# Altium PCB reefpi_pico_v2.pcbdoc (part 1 of 2)
Units mil, origin at the board's own origin, x right, y up, seen from the top; angles counter-clockwise.
Board outline 4774.87 x 3275 mil, 2 copper layers (Top Layer, Bottom Layer), stack 60.8 mil thick; 151 components, 89 nets, 545 pads, 609 vias.
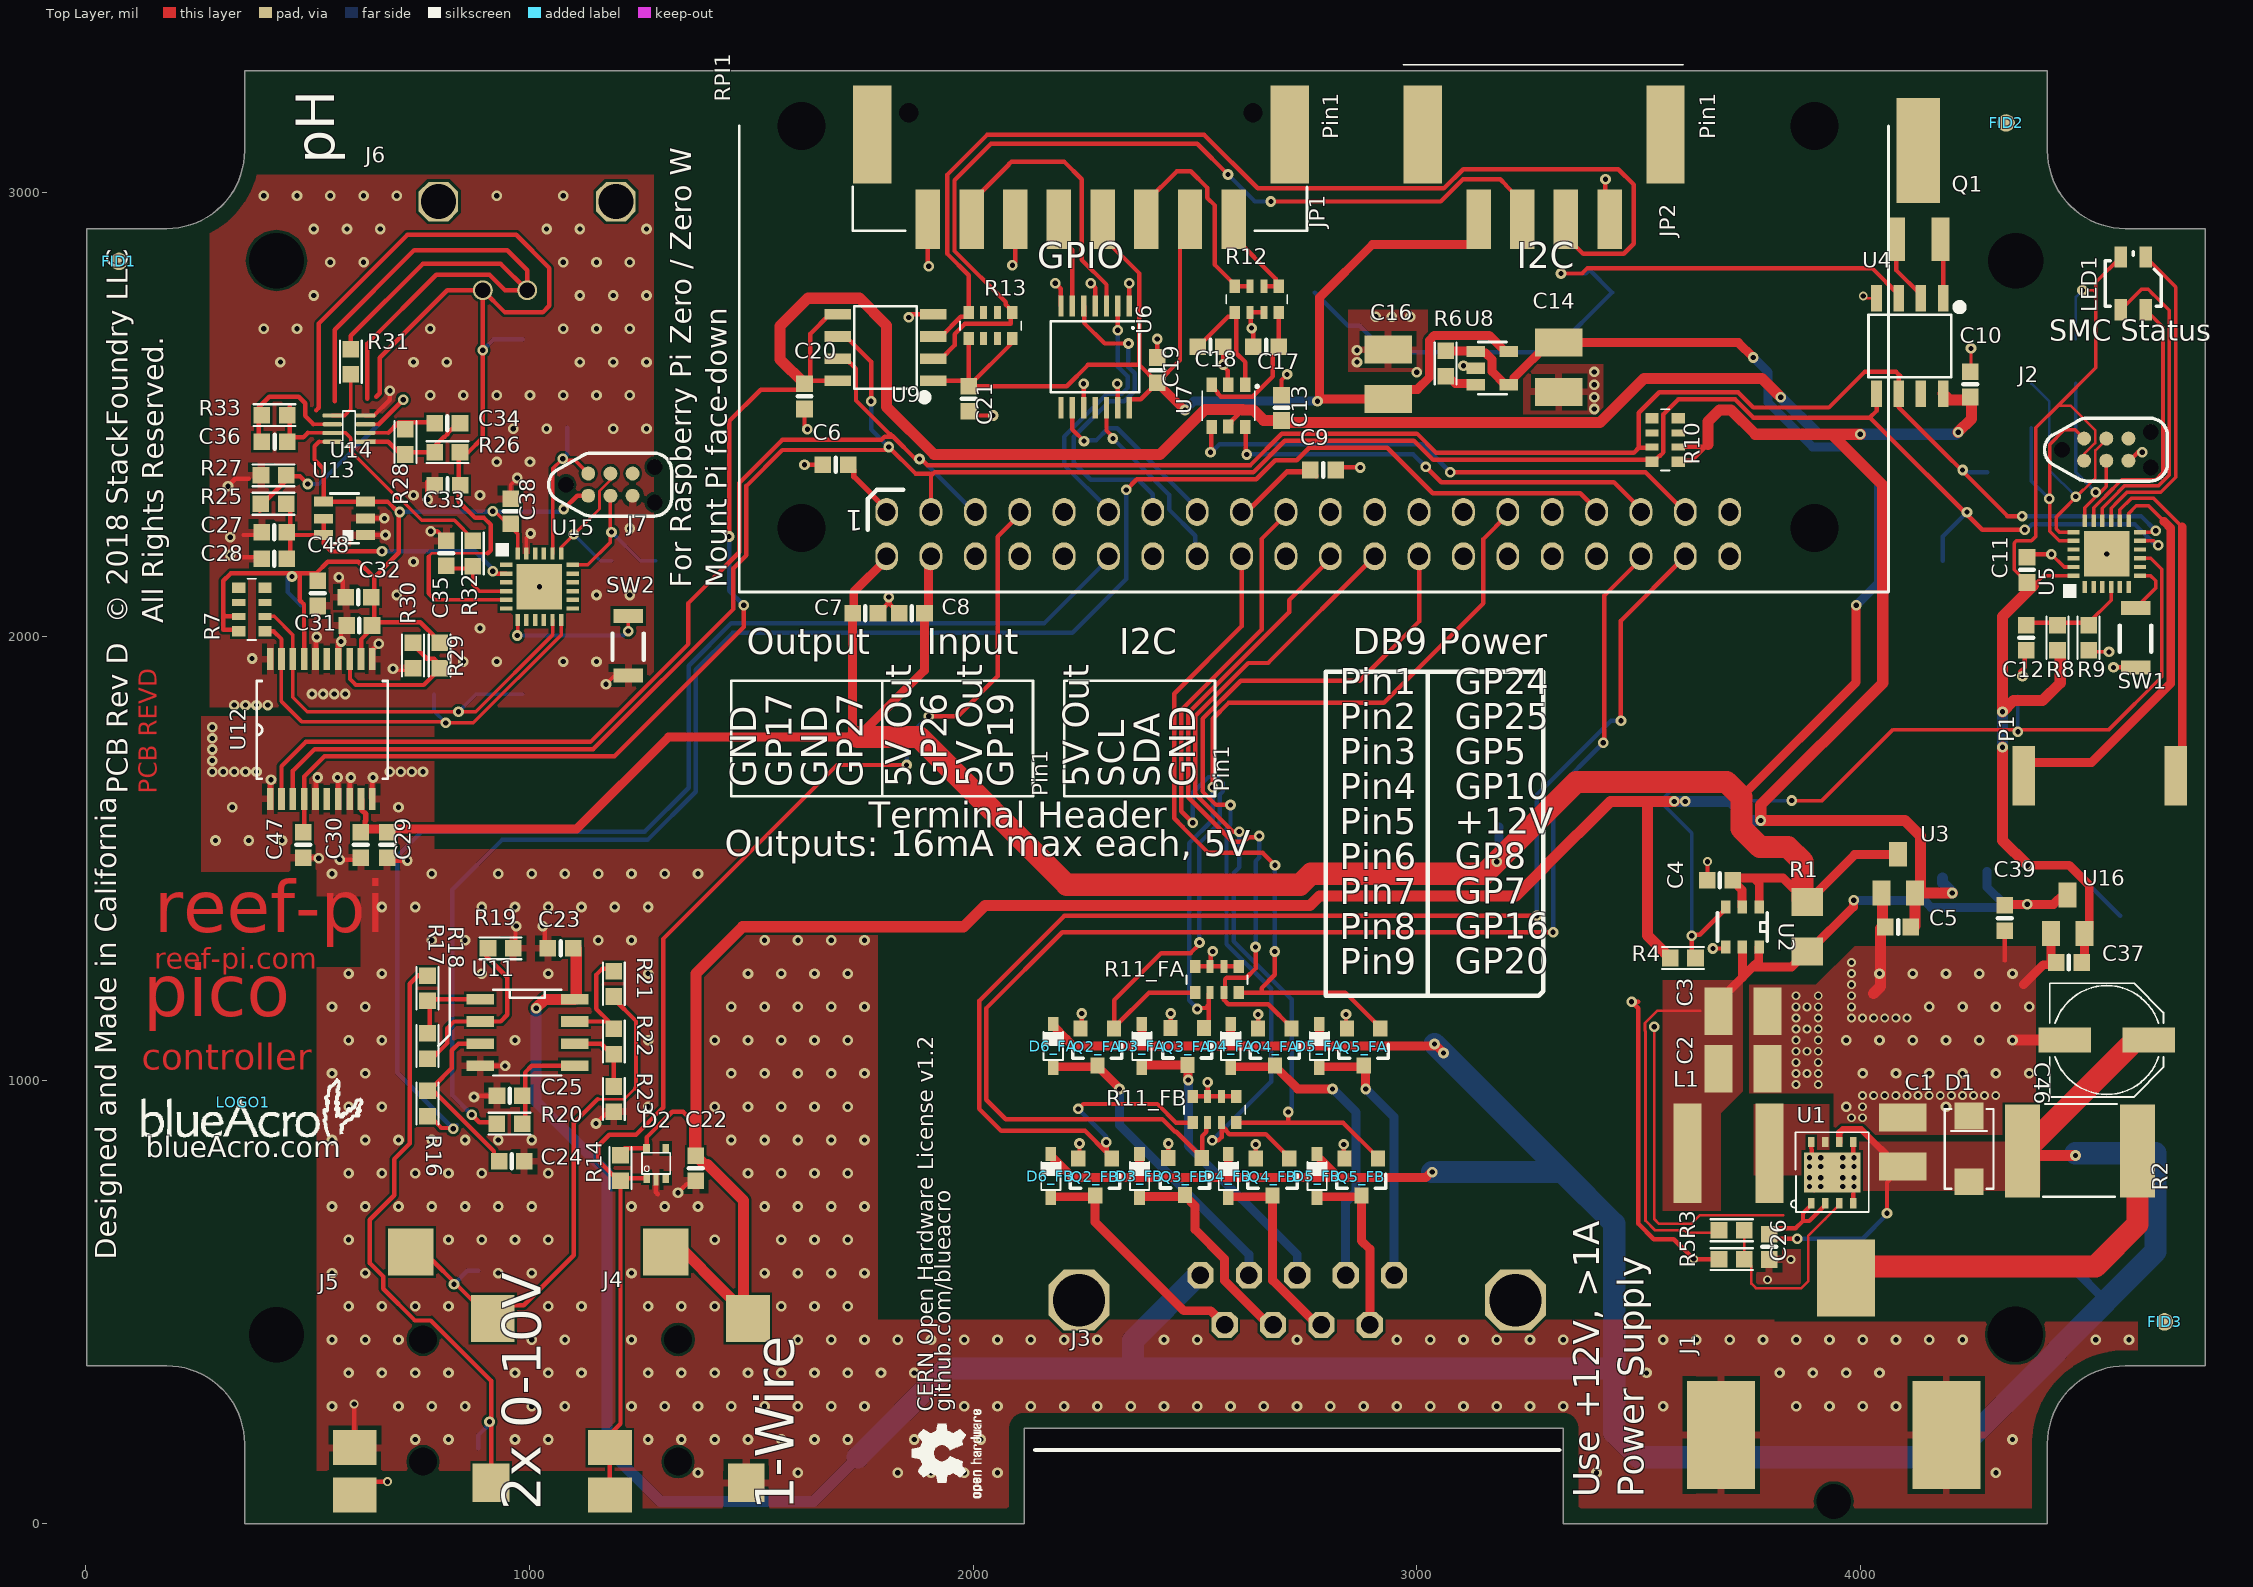
[diagram p0: Top Layer view]
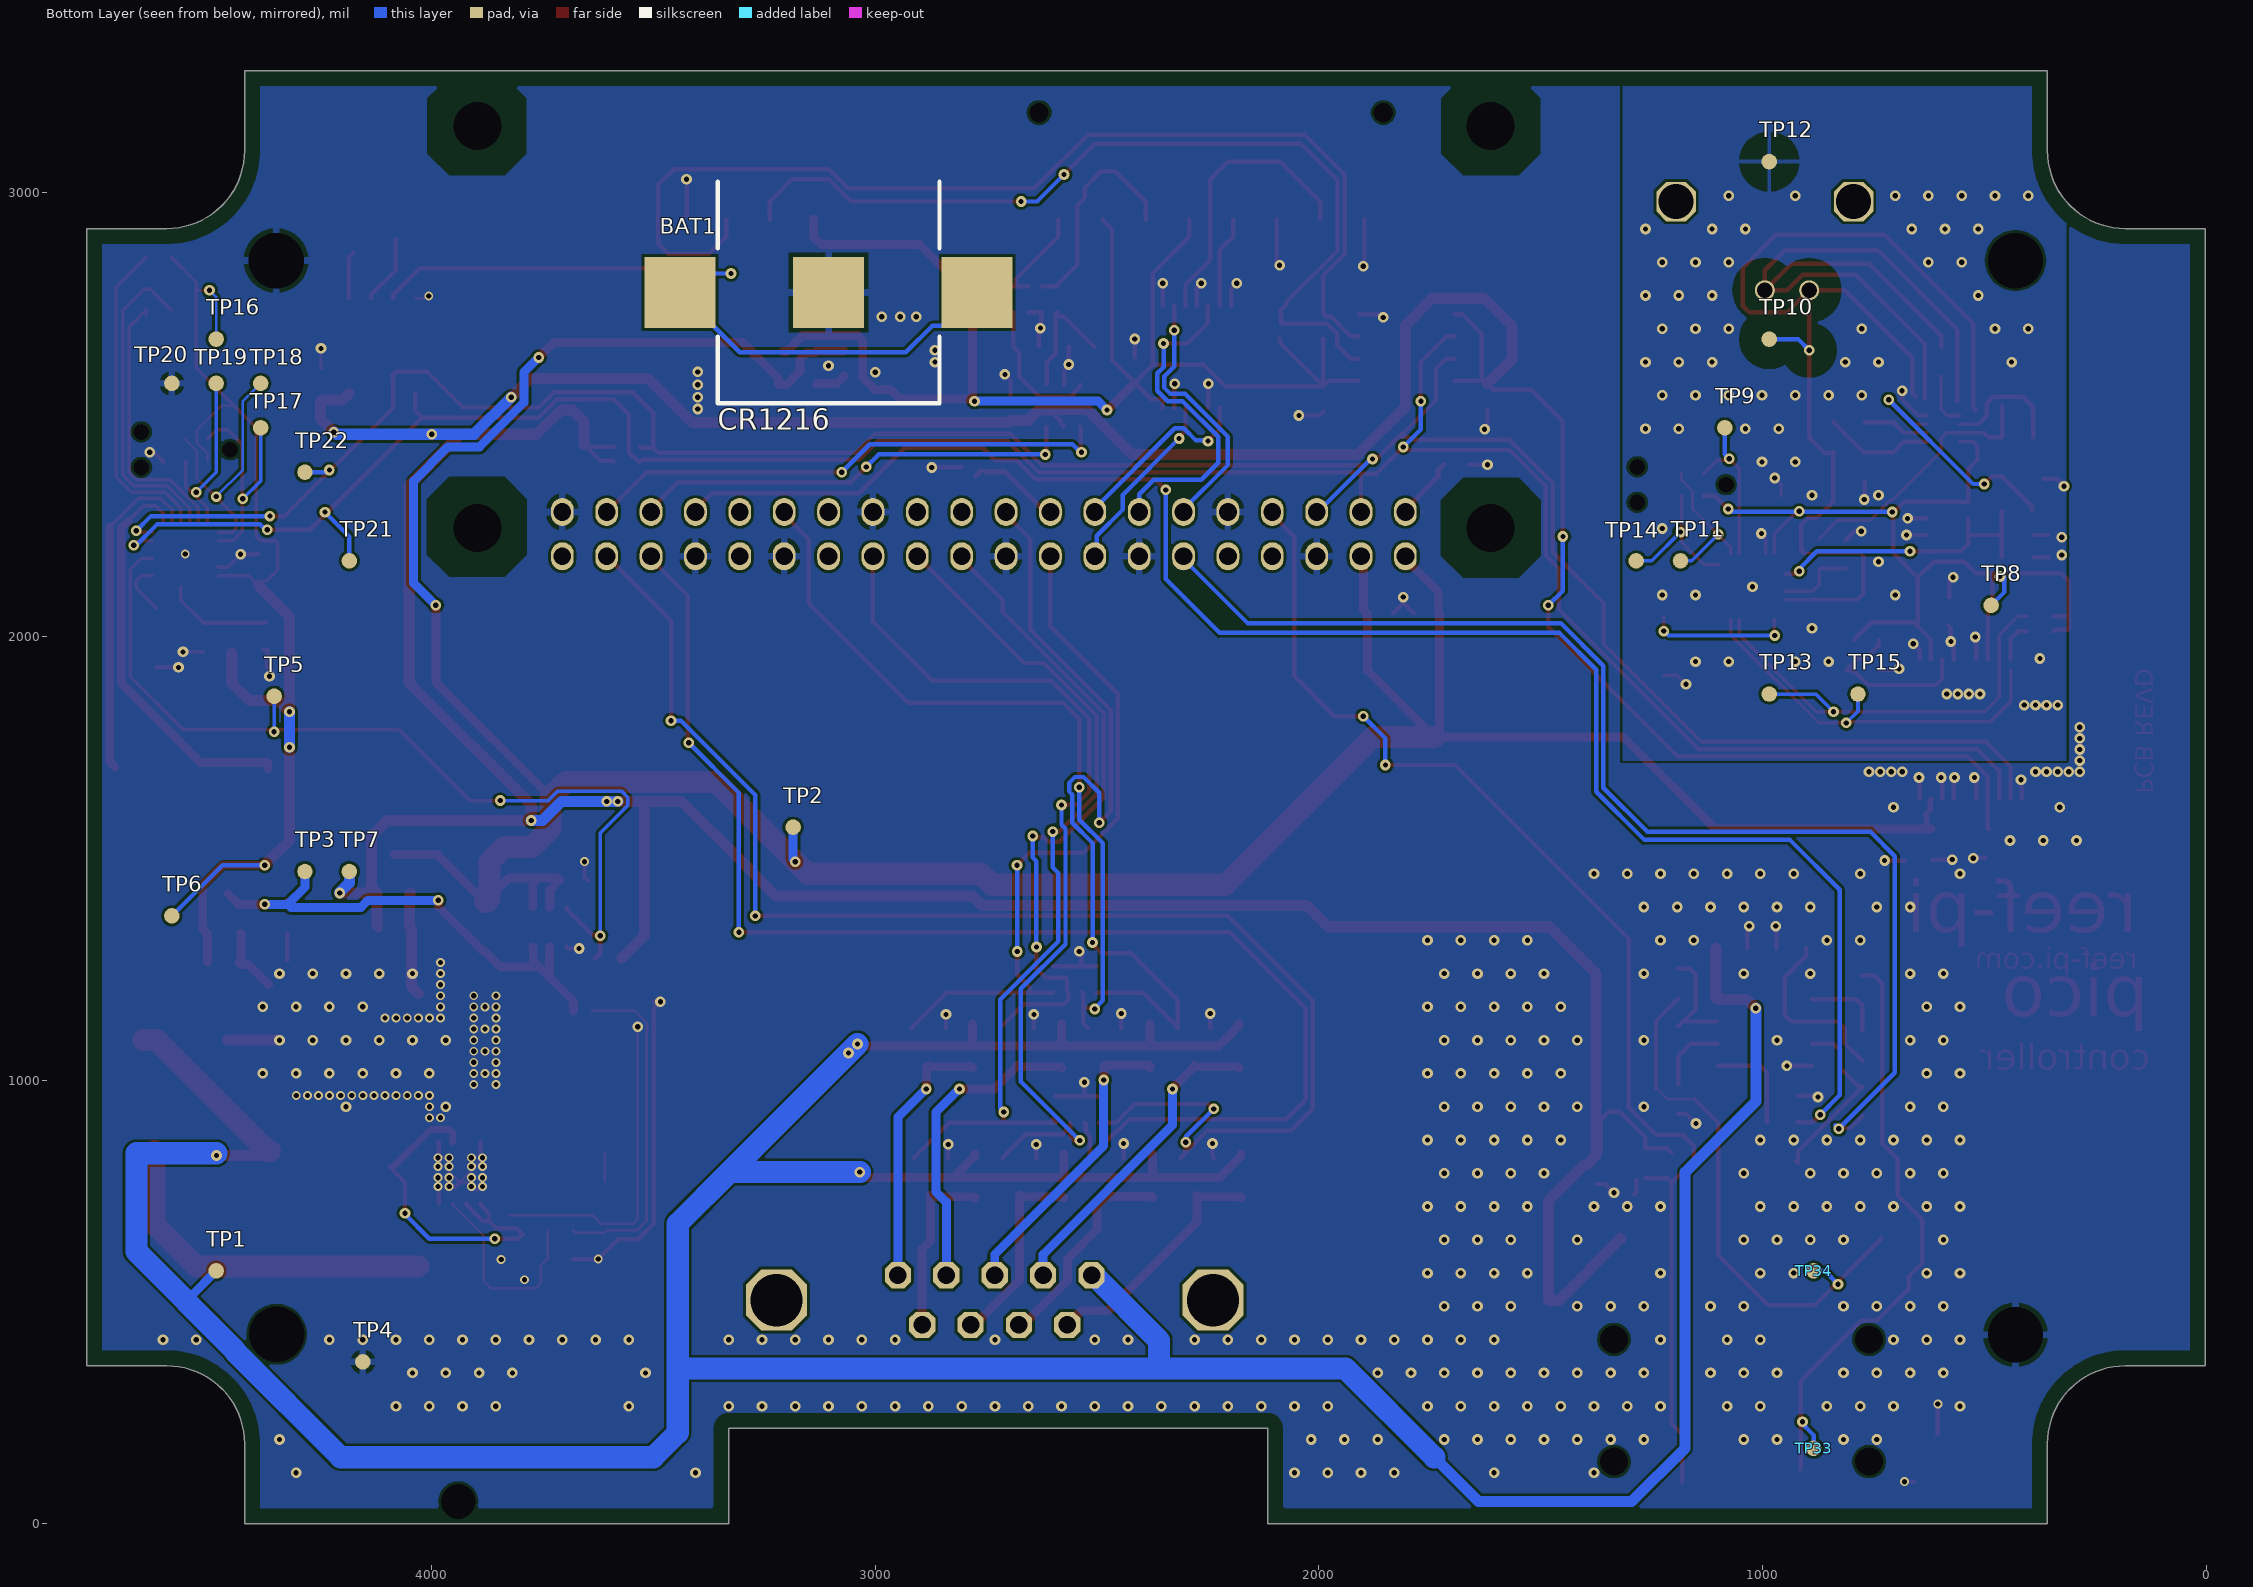
[diagram p1: Bottom Layer view, seen from below]
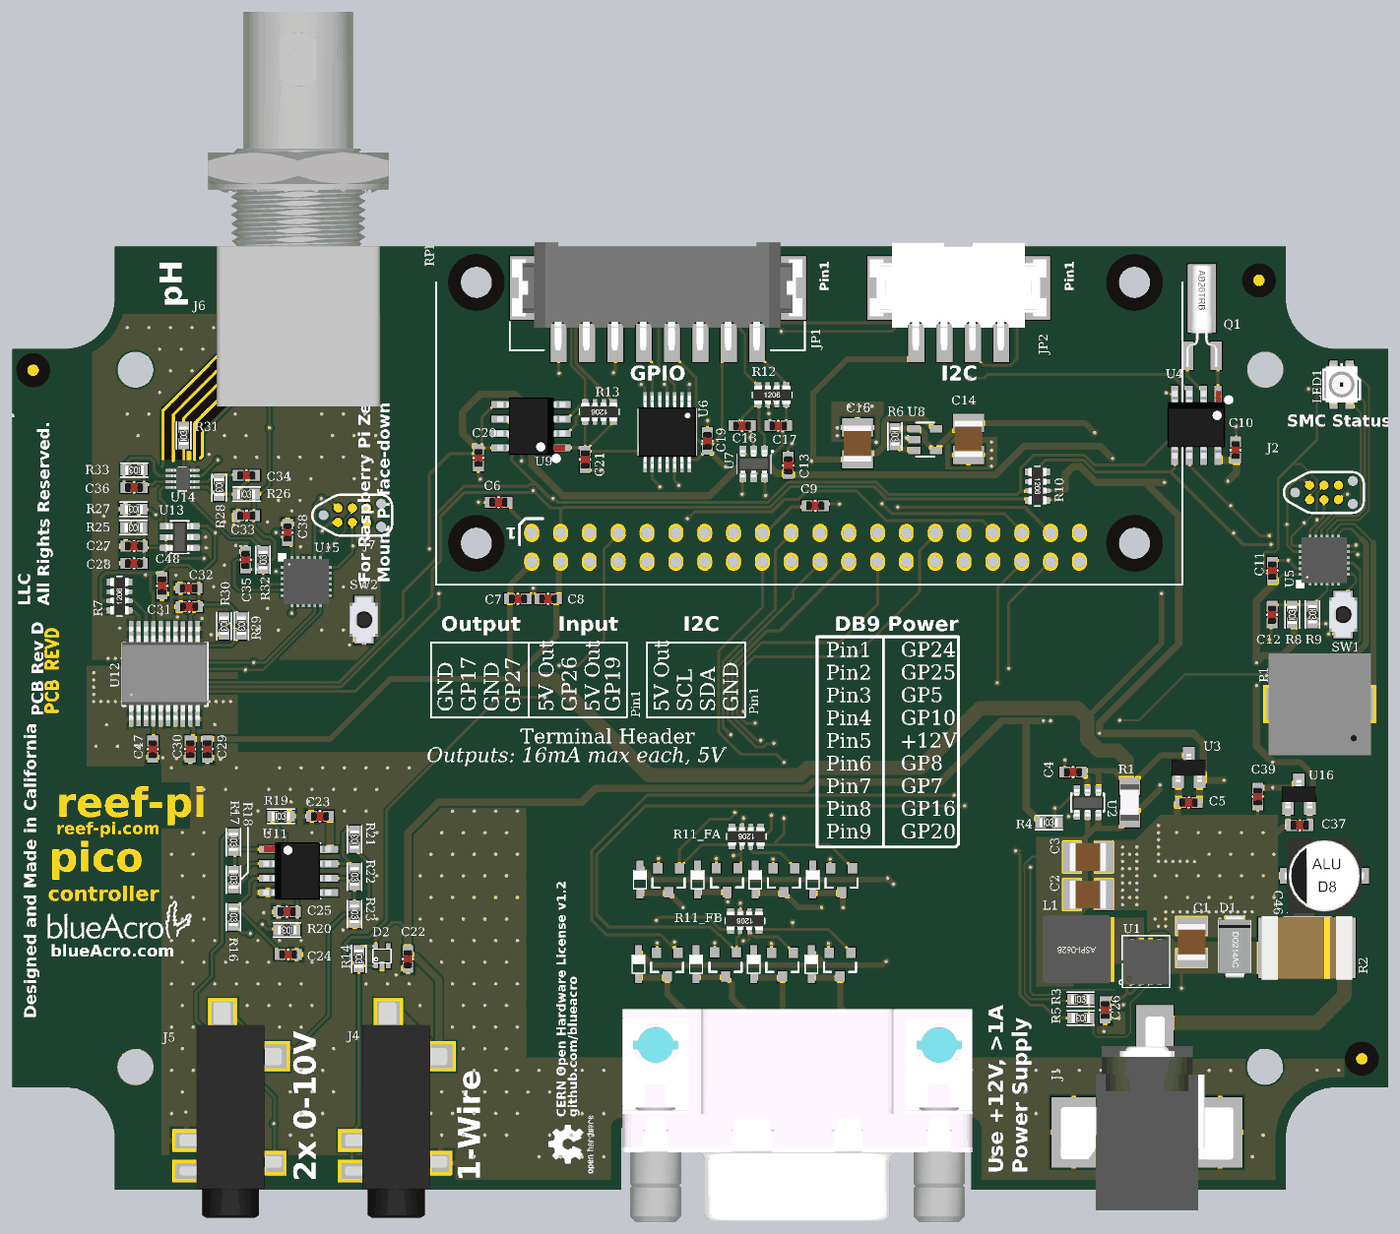
[diagram p3: 3D render of the assembled board from above, using the file's embedded part models]

## Layer stack, top to bottom
Top Solder: solder mask 0.4, Solder Resist, Dk 3.5
Top Layer: signal copper 1.4
Dielectric 1: core 58, FR-4, Dk 4.2
Bottom Layer: signal copper 1.4
Bottom Solder: solder mask 0.4, Solder Resist, Dk 3.5

## Board outline
358.12,0.13 358.12,180.07 ccw(c182.07,180.07) 182.07,356.11 2.14,356.11 2.14,2919.02 182.07,2919.02 ccw(c182.07,3095.07) 358.12,3095.07 358.12,3275 4421.03,3275 4421.03,3095.07 ccw(c4597.07,3095.07) 4597.07,2919.02 4777.01,2919.02 4777.01,356.11 4597.07,356.11 ccw(c4597.07,180.07) 4421.03,180.07 4421.03,0.13 3330.13,0.13 3330,0 3330,215 2115,215 2115,0

## Design rules (kind name [scope] priority, off if disabled: settings)
BoardOutlineClearance [All] p1: gap=35 ignorepadtopadclearanceinfootprint=FALSE
Clearance Clearance_1 [OnLayer('Bottom Layer') vs InNet('VREF2') OR InNet('NetJ6_PIN')] p1: gap=50 ignorepadtopadclearanceinfootprint=FALSE
Clearance [All] p2: gap=6 ignorepadtopadclearanceinfootprint=FALSE
HoleSize [All] p1: absolutevalues=TRUE maxlimit=200 minlimit=1 maxpercent=80.000 minpercent=20.000
HoleToHoleClearance [All] p1: gap=5 allowstackedmicrovias=TRUE
MinimumSolderMaskSliver [All] p1: minsoldermaskwidth=7.87
PolygonConnect GISO_Bottom [Name = 'GISO_L02_P016'] p1: thpad.connectstyle=Relief thpad.reliefconductorwidth=10 thpad.reliefentries=4 thpad.polygonreliefangle="90 Angle" thpad.airgapwidth=50 smdpad.connectstyle=Relief smdpad.reliefconductorwidth=10 smdpad.reliefentries=4 smdpad.polygonreliefangle="90 Angle" smdpad.airgapwidth=50 via.connectstyle=Direct via.reliefconductorwidth=10 via.reliefentries=4 via.polygonreliefangle="90 Angle" via.airgapwidth=10
PolygonConnect GNDPWRConnect [Name = 'GND_PWR'] p2: connectstyle=Direct reliefconductorwidth=10 reliefentries=4 polygonreliefangle="90 Angle" airgapwidth=10
PolygonConnect PowerConnect [InNet('NetL1_1') OR InNet('12V') OR InNet('5V_SMC')] p3: connectstyle=Direct reliefconductorwidth=10 reliefentries=4 polygonreliefangle="90 Angle" airgapwidth=10
PolygonConnect BasicPlane [All] p4: thpad.connectstyle=Relief thpad.reliefconductorwidth=16 thpad.reliefentries=4 thpad.polygonreliefangle="90 Angle" thpad.airgapwidth=10 smdpad.connectstyle=Relief smdpad.reliefconductorwidth=16 smdpad.reliefentries=4 smdpad.polygonreliefangle="90 Angle" smdpad.airgapwidth=10 via.connectstyle=Direct via.reliefconductorwidth=10 via.reliefentries=4 via.polygonreliefangle="90 Angle" via.airgapwidth=10
RoomDefinition U_reefpi_pico_pi [InComponentClass('U_reefpi_pico_pi')] p1: confinementstyle=ConfineIn formatcopy=TRUE lockcomponents=FALSE outline 1459.87,2080 1459.87,3330.31 4080.12,3330.31 4080.12,3227.5 4214,3227.5 4214,2807.77 4249,2807.77 4249,2629.24 4279.7,2629.24 4279.7,2506.76 4249,2506.76 4249,2496 4080.12,2496 4080.12,2080 1923.15,2080 1923.15,2019.03 1695.78,2019.03 1695.78,2080
RoomDefinition U_reefpi_pico_analog_out [InComponentClass('U_reefpi_pico_analog_out')] p2: confinementstyle=ConfineIn formatcopy=TRUE lockcomponents=FALSE outline 545,-110 1230,-110 1230,1335 545,1335
RoomDefinition FB [InComponentClass('FB')] p3: confinementstyle=ConfineIn formatcopy=TRUE lockcomponents=FALSE outline 2044.65,697.18 3115,697.18 3115,984.07 2044.65,984.07
RoomDefinition FA [InComponentClass('FA')] p4: confinementstyle=ConfineIn formatcopy=TRUE lockcomponents=FALSE outline 2049.93,990.18 3120.28,990.18 3120.28,1277.07 2049.93,1277.07
RoomDefinition U_reefpi_pico_ph [InComponentClass('U_reefpi_pico_ph')] p5: confinementstyle=ConfineIn formatcopy=TRUE lockcomponents=FALSE outline 318.27,1979.88 318.27,2141.61 351.9,2141.61 351.9,2336.31 352.04,2336.31 352.04,2400.5 354.1,2400.5 354.1,2535.9 560.1,2535.9 560.1,2690.37 672.4,2690.37 672.4,4100 1317.6,4100 1317.6,2471.94 1391.42,2471.94 1391.42,2211.79 1316.52,2211.79 1316.52,2138.48 1281.81,2138.48 1281.81,1882.12 1016.52,1882.12 1016.52,1838.48 713.68,1838.48 713.68,1460.88 456.32,1460.88 456.32,1597.93 372.54,1597.93 372.54,1979.88
RoomDefinition U_reefpi_pico_power [InComponentClass('U_reefpi_pico_power')] p6: confinementstyle=ConfineIn formatcopy=TRUE lockcomponents=FALSE outline 3153.48,1538.48 3153.48,1601.52 4323,1601.52 4323,1896.52 4386.04,1896.52 4386.04,1463.31 4555.52,1463.31 4555.52,1401.52 4616.52,1401.52 4616.52,1230 4723.02,1230 4723.02,950.05 4677.94,950.05 4677.94,719.48 4516.52,719.48 4516.52,538.48 4284.23,538.48 4284.23,-82.13 3594.81,-82.13 3594.81,706.89 3567.98,706.89 3567.98,1237.89 3538.28,1237.89 3538.28,1538.48
RoomDefinition U_reefpi_pico_smc [InComponentClass('U_reefpi_pico_smc')] p7: confinementstyle=ConfineIn formatcopy=TRUE lockcomponents=FALSE outline 4153.48,2138.48 4153.48,2201.52 4253.48,2201.52 4253.48,2401.52 4344.98,2401.52 4344.98,2550.87 4353.48,2550.87 4353.48,2601.52 4453.48,2601.52 4453.48,2701.52 4537.8,2701.52 4537.8,2892.84 4691.8,2892.84 4691.8,2550.87 4762.62,2550.87 4762.62,2290.71 4745.65,2290.71 4745.65,1498.62 4331.95,1498.62 4331.95,2138.48
RoutingVias [All] p1: holewidth=11.81 width=24 viastyle="Through Hole" minholewidth=11.81 minwidth=20 maxholewidth=28 maxwidth=50
SilkToSilkClearance [All] p1: silktosilkclearance=0
SilkToSolderMaskClearance [IsPad] p1: minsilkscreentomaskgap=0 clearancetoexposedcopper=TRUE
SolderMaskExpansion [All] p1: expansion=4
Width [All] p1: maxlimit=50 minlimit=6 preferedwidth=10 minimp=50.000000 maximp=50.000000 favimp=50.000000
25 further rules are at their usual default settings.

## Classes and differential pairs
channel class reefpi_pico_fet: FA FB
component class FB: D3_FB D4_FB D5_FB D6_FB Q2_FB Q3_FB Q4_FB Q5_FB R11_FB
component class FA: D3_FA D4_FA D5_FA D6_FA Q2_FA Q3_FA Q4_FA Q5_FA R11_FA
component class U_reefpi_pico_ph: C27 C28 C29 C30 C31 C32 C33 C34 C35 C36 C38 C47 C48 J6 J7 R7 R25 R26 R27 R28 R29 R30 R31 R32 R33 SW2 TP8 TP9 TP10 TP11 TP12 TP13 TP14 TP15 U12 U13 U14 U15
component class U_reefpi_pico_power: C1 C2 C3 C4 C5 C26 C37 C39 C46 D1 J1 L1 R1 R2 R3 R4 R5 TP1 TP2 TP3 TP4 TP5 TP6 TP7 U1 U2 U3 U16
component class U_reefpi_pico_pi: BAT1 C6 C7 C8 C9 C10 Q1 RPI1 U4
component class U_reefpi_pico_smc: C11 C12 J2 LED1 P1 R8 R9 SW1 TP16 TP17 TP18 TP19 TP20 TP21 TP22 U5
component class reefpi_pico_toplevel: FID1 FID2 FID3 LOGO1 R10
component class U_reefpi_pico_io: C13 C14 C16 C17 C18 C19 C20 C21 C22 C? D2 J3 J4 JP1 JP2 R6 R12 R13 R14 U6 U7 U8 U9
net class P[0..11]: P0 P1 P2 P3 P4 P5 P6 P7 P8 P9 P10 P11
component class U_reefpi_pico_analog_out: C23 C24 C25 J5 R16 R17 R18 R19 R20 R21 R22 R23 TP33 TP34 U11
